# KiCad board k410t-devboard.kicad_pcb
title: Kintex 410T devboard; date: 2024-04-03; rev: 1.1.2
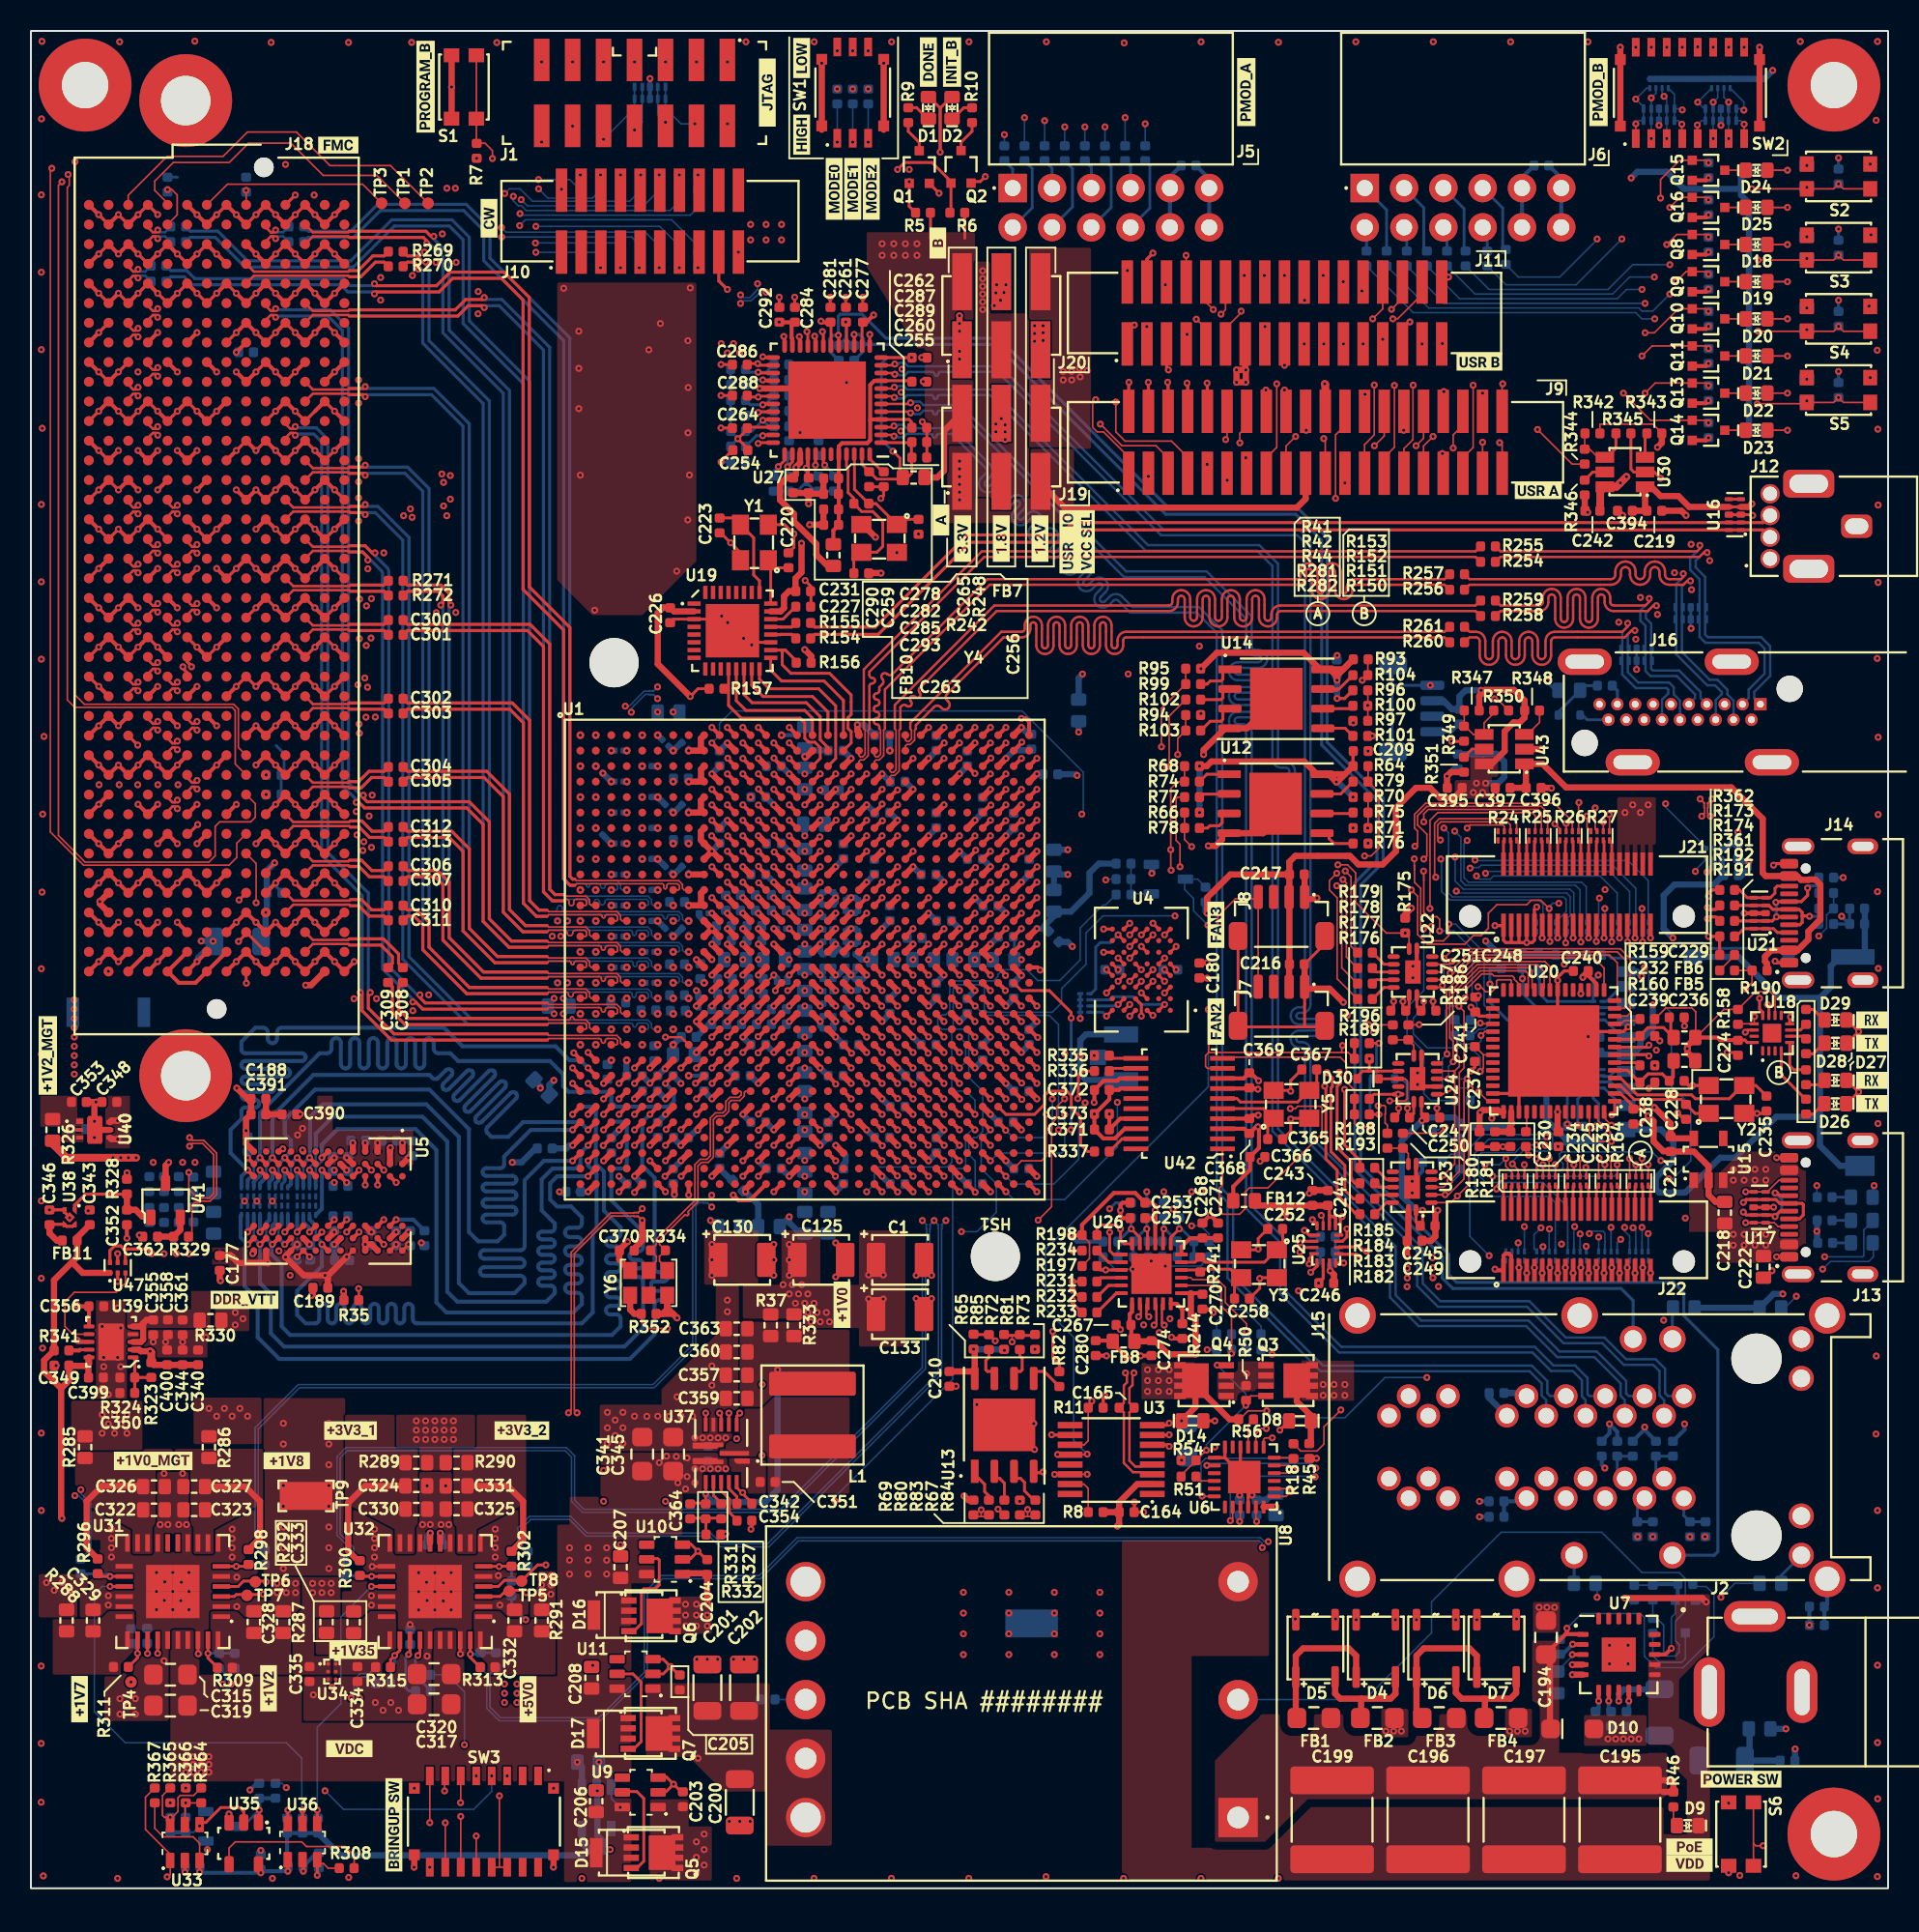
[diagram p0: board, top side]
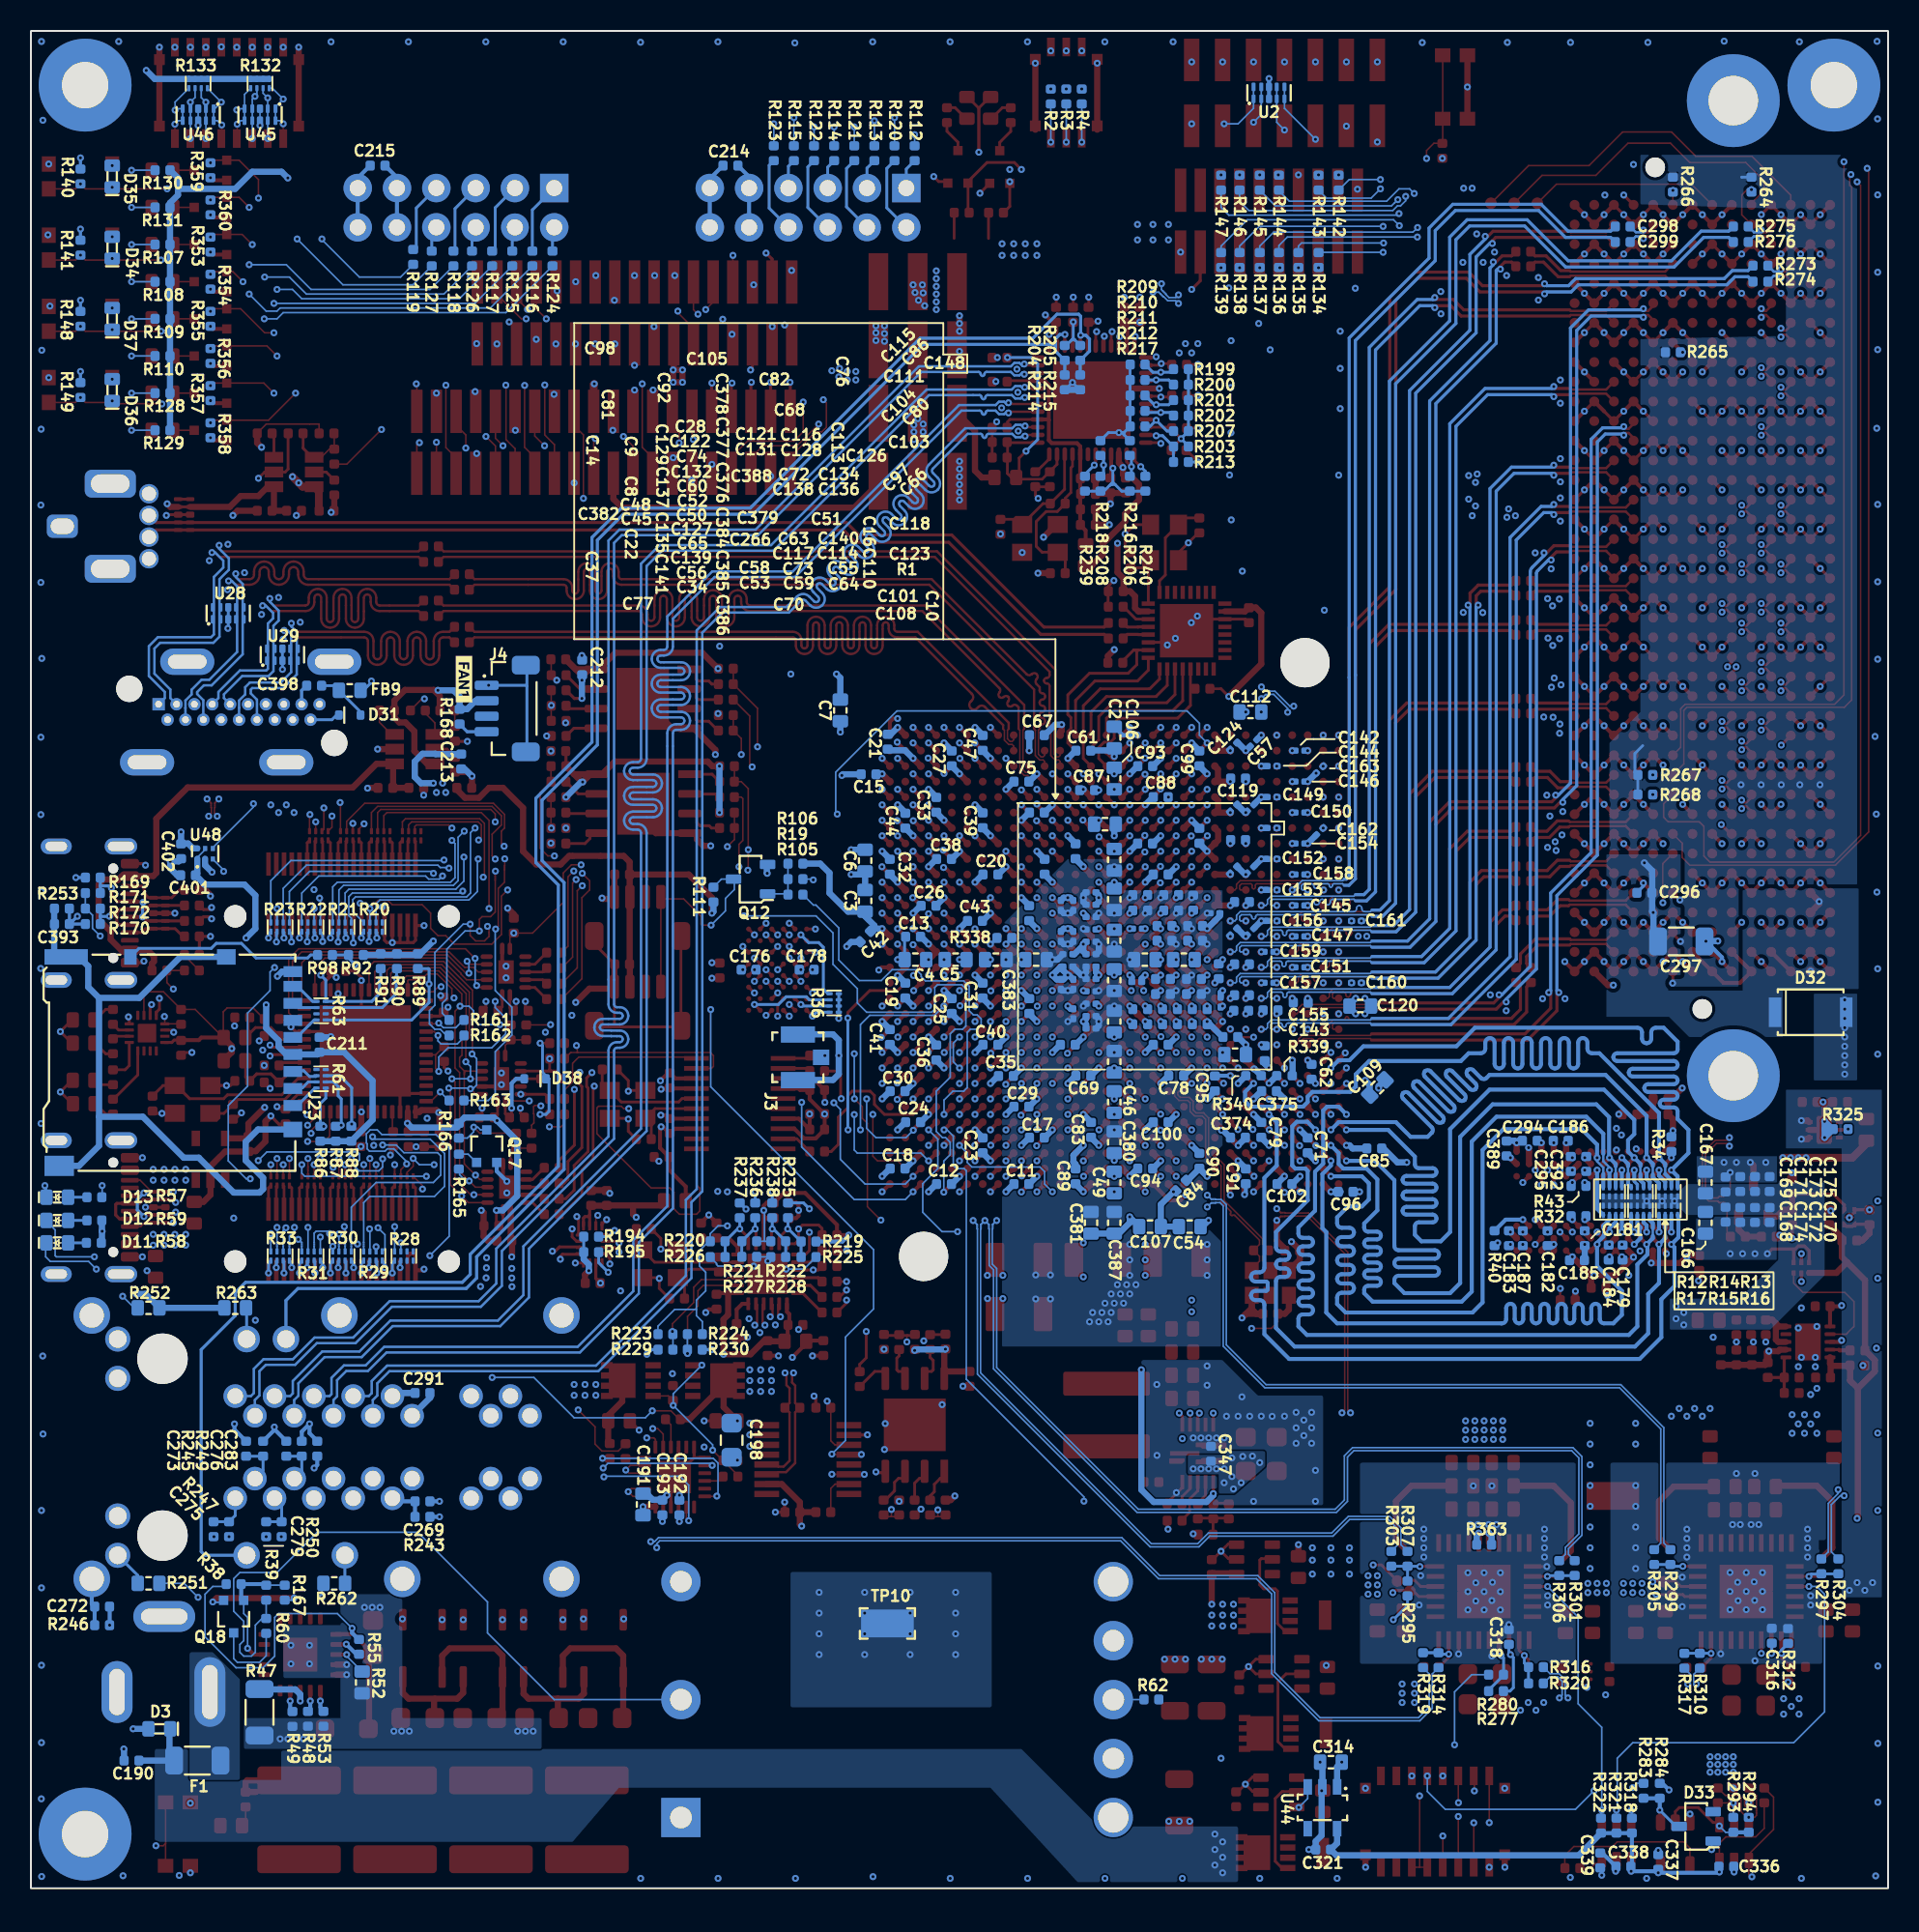
[diagram p1: board, bottom side, seen from below]

Outline 120 x 120 mm; copper layers: Top, In1.Cu (plane), In2.Cu (plane), In3.Cu, In4.Cu (plane), In5.Cu, In6.Cu (plane), In7.Cu, In8.Cu (plane), Bottom. Coordinates in mm from the lower left corner of the outline.
Outline path: rectangle 0,120 120,0
Stack: Top 0.035mm / dielectric 0.12mm PR2116 er 3.9 / In1.Cu 0.018mm / dielectric 0.1mm IS400 er 3.9 / In2.Cu 0.018mm / dielectric 0.07mm PR1080 er 3.14 / dielectric 0.07mm PR1080 er 3.14 / In3.Cu 0.018mm / dielectric 0.1mm IS400 er 3.9 / In4.Cu 0.018mm / dielectric 0.07mm PR1080 er 3.14 / dielectric 0.07mm PR1080 er 3.14 / In5.Cu 0.018mm / dielectric 0.1mm IS400 er 3.9 / In6.Cu 0.018mm / dielectric 0.07mm PR1080 er 3.14 / dielectric 0.07mm PR1080 er 3.14 / In7.Cu 0.018mm / dielectric 0.1mm IS400 er 3.9 / In8.Cu 0.018mm / dielectric 0.12mm PR2116 er 3.9 / Bottom 0.035mm

## Placement (name value [footprint] x y rotation side)
C1  C_Pol_330u_6.3V_KEMET-T520-B  [C_Pol_EIA-B]  56.16 40.6 0 top
C2  C_47u_0603  [C_0603_1608Metric]  50 74.35 270 bottom
C3  C_47u_0603  [C_0603_1608Metric]  66.1 63.8 270 bottom
C4  C_47u_0603  [C_0603_1608Metric]  62.85 60 180 bottom
C5  C_47u_0603  [C_0603_1608Metric]  60.25 60 180 bottom
C6  C_47u_0603  [C_0603_1608Metric]  66.1 66.4 90 bottom
C7  C_47u_0603  [C_0603_1608Metric]  67.7 76.1 270 bottom
C8  C_4u7_0201  [C_0201]  53.45 61.5 270 bottom
C9  C_4u7_0201  [C_0201]  53.45 63.5 270 bottom
C10  C_100n_0402  [C_0402_1005Metric]  40.28 53.95 270 bottom
C11  C_100n_0402  [C_0402_1005Metric]  56 45.5 0 bottom
C12  C_100n_0402  [C_0402_1005Metric]  61 45.5 180 bottom
C13  C_100n_0402  [C_0402_1005Metric]  63 61.48 180 bottom
C14  C_100n_0402  [C_0402_1005Metric]  55.5 63 270 bottom
C15  C_100n_0402  [C_0402_1005Metric]  65.88 71.97 180 bottom
C16  C_100n_0402  [C_0402_1005Metric]  43.25 59.25 90 bottom
C17  C_100n_0402  [C_0402_1005Metric]  55 48.5 0 bottom
C18  C_100n_0402  [C_0402_1005Metric]  64 46.5 180 bottom
C19  C_100n_0402  [C_0402_1005Metric]  63.5 58 270 bottom
C20  C_100n_0402  [C_0402_1005Metric]  58 65.5 180 bottom
C21  C_100n_0402  [C_0402_1005Metric]  64.64 74.08 90 bottom
C22  C_4u7_0201  [C_0201]  53.45 58.4 270 bottom
C23  C_100n_0402  [C_0402_1005Metric]  58.5 48 90 bottom
C24  C_100n_0402  [C_0402_1005Metric]  63 49.5 180 bottom
C25  C_100n_0402  [C_0402_1005Metric]  60.5 57 270 bottom
C26  C_100n_0402  [C_0402_1005Metric]  62 63.48 180 bottom
C27  C_100n_0402  [C_0402_1005Metric]  60.5 73 90 bottom
C28  C_4u7_0201  [C_0201]  51.5 64.35 0 bottom
C29  C_100n_0402  [C_0402_1005Metric]  56 50.5 180 bottom
C30  C_100n_0402  [C_0402_1005Metric]  64 51.5 0 bottom
C31  C_100n_0402  [C_0402_1005Metric]  58.5 58 90 bottom
C32  C_100n_0402  [C_0402_1005Metric]  64.5 66 270 bottom
C33  C_100n_0402  [C_0402_1005Metric]  61.5 70 90 bottom
C34  C_4u7_0201  [C_0201]  51.5 55.55 180 bottom
C35  C_100n_0402  [C_0402_1005Metric]  57 52.48 0 bottom
C36  C_100n_0402  [C_0402_1005Metric]  61.5 54 270 bottom
C37  C_100n_0402  [C_0402_1005Metric]  55.49 57 90 bottom
C38  C_100n_0402  [C_0402_1005Metric]  61 66.5 180 bottom
C39  C_100n_0402  [C_0402_1005Metric]  58.5 69 90 bottom
C40  C_100n_0402  [C_0402_1005Metric]  58 54.5 180 bottom
C41  C_100n_0402  [C_0402_1005Metric]  64.5 55 270 bottom
C42  C_100n_0402  [C_0402_1005Metric]  66.09 61.49 135 bottom
C43  C_100n_0402  [C_0402_1005Metric]  59 62.5 180 bottom
C44  C_100n_0402  [C_0402_1005Metric]  63.5 68.97 270 bottom
C45  C_4u7_0201  [C_0201]  53 59.55 180 bottom
C46  C_47u_0603  [C_0603_1608Metric]  50 50.8 90 bottom
C47  C_100n_0402  [C_0402_1005Metric]  58.5 74 270 bottom
C48  C_4u7_0201  [C_0201]  53 60.35 0 bottom
C49  C_47u_0603  [C_0603_1608Metric]  50 45.6 90 bottom
C50  C_4u7_0201  [C_0201]  51.5 59.55 0 bottom
C51  C_47u_0603  [C_0603_1608Metric]  45.5 60 0 bottom
C52  C_4u7_0201  [C_0201]  51.5 60.35 180 bottom
C53  C_100n_0402  [C_0402_1005Metric]  48.32 55.82 180 bottom
C54  C_47u_0603  [C_0603_1608Metric]  45.12 42.75 0 bottom
C55  C_100n_0402  [C_0402_1005Metric]  44.47 56.8 0 bottom
C56  C_100n_0201  [C_0201]  51.5 56.35 180 bottom
C57  C_4u7_0201  [C_0201]  41 74 315 bottom
C58  C_100n_0402  [C_0402_1005Metric]  48.32 56.8 0 bottom
C59  C_100n_0402  [C_0402_1005Metric]  46.4 55.82 180 bottom
C60  C_100n_0201  [C_0201]  51.5 61.15 180 bottom
C61  C_100n_0402  [C_0402_1005Metric]  52 73.5 180 bottom
C62  C_100n_0402  [C_0402_1005Metric]  37.25 52.75 270 bottom
C63  C_100n_0402  [C_0402_1005Metric]  46.85 58.75 0 bottom
C64  C_100n_0402  [C_0402_1005Metric]  44.47 55.82 180 bottom
C65  C_100n_0201  [C_0201]  51.5 57.95 180 bottom
C66  C_4u7_0201  [C_0201]  41.2 61.8 315 bottom
C67  C_100n_0402  [C_0402_1005Metric]  55 74.5 180 bottom
C68  C_100n_0402  [C_0402_1005Metric]  47 65.5 180 bottom
C69  C_100n_0402  [C_0402_1005Metric]  52 52.5 180 bottom
C70  C_100n_0402  [C_0402_1005Metric]  47 54.5 180 bottom
C71  C_100n_0402  [C_0402_1005Metric]  37.5 48 90 bottom
C72  C_100n_0402  [C_0402_1005Metric]  46.75 62.17 0 bottom
C73  C_100n_0402  [C_0402_1005Metric]  46.4 56.8 0 bottom
C74  C_100n_0201  [C_0201]  51.5 62.75 180 bottom
C75  C_100n_0402  [C_0402_1005Metric]  56 71.5 180 bottom
C76  C_100n_0402  [C_0402_1005Metric]  44.5 68 90 bottom
C77  C_100n_0402  [C_0402_1005Metric]  53 54.5 0 bottom
C78  C_100n_0402  [C_0402_1005Metric]  46 52.5 0 bottom
C79  C_100n_0402  [C_0402_1005Metric]  40.5 49 90 bottom
C80  C_4u7_0201  [C_0201]  41.2 65.8 315 bottom
C81  C_100n_0402  [C_0402_1005Metric]  54.5 66 270 bottom
C82  C_100n_0402  [C_0402_1005Metric]  48.01 67.5 0 bottom
C83  C_100n_0402  [C_0402_1005Metric]  51.5 49 90 bottom
C84  C_100n_0402  [C_0402_1005Metric]  45.68 45.4 315 bottom
C85  C_100n_0402  [C_0402_1005Metric]  33.2 47.8 0 bottom
C86  C_4u7_0201  [C_0201]  41.2 69.8 315 bottom
C87  C_100n_0402  [C_0402_1005Metric]  51.75 70.95 0 bottom
C88  C_100n_0402  [C_0402_1005Metric]  47 70.5 0 bottom
C89  C_100n_0402  [C_0402_1005Metric]  52.5 46 90 bottom
C90  C_100n_0402  [C_0402_1005Metric]  44.5 47 90 bottom
C91  C_100n_0402  [C_0402_1005Metric]  41.5 46 90 bottom
C92  C_100n_0402  [C_0402_1005Metric]  52.5 67 90 bottom
C93  C_100n_0402  [C_0402_1005Metric]  48 72.5 180 bottom
C94  C_100n_0402  [C_0402_1005Metric]  48 46.5 0 bottom
C95  C_100n_0402  [C_0402_1005Metric]  43.5 52 270 bottom
C96  C_100n_0402  [C_0402_1005Metric]  35.05 45 0 bottom
C97  C_100n_0201  [C_0201]  42.3 61.8 315 bottom
C98  C_100n_0402  [C_0402_1005Metric]  55 69.5 0 bottom
C99  C_100n_0402  [C_0402_1005Metric]  44.5 73 270 bottom
C100  C_100n_0402  [C_0402_1005Metric]  47 49.5 0 bottom
C101  C_100n_0402  [C_0402_1005Metric]  42.5 55 0 bottom
C102  C_100n_0402  [C_0402_1005Metric]  39 45.5 0 bottom
C103  C_100n_0402  [C_0402_1005Metric]  41.75 63.72 0 bottom
C104  C_100n_0201  [C_0201]  42.3 65.8 315 bottom
C105  C_47u_0603  [C_0603_1608Metric]  50.6 68.75 0 bottom
C106  C_47u_0603  [C_0603_1608Metric]  50 71.7 90 bottom
C107  C_47u_0603  [C_0603_1608Metric]  47.69 42.75 0 bottom
C108  C_47u_0603  [C_0603_1608Metric]  42.19 53.86 180 bottom
C109  C_47u_0603  [C_0603_1608Metric]  33 51.74 135 bottom
C110  C_4u7_0201  [C_0201]  43.12 57.25 90 bottom
C111  C_100n_0402  [C_0402_1005Metric]  42 67.72 0 bottom
C112  C_47u_0603  [C_0603_1608Metric]  41.2 76 180 bottom
C113  C_100n_0402  [C_0402_1005Metric]  44.9 63.67 90 bottom
C114  C_100n_0402  [C_0402_1005Metric]  44.85 57.78 180 bottom
C115  C_100n_0201  [C_0201]  42.3 69.8 315 bottom
C116  C_100n_0402  [C_0402_1005Metric]  46.32 64.17 0 bottom
C117  C_100n_0402  [C_0402_1005Metric]  46.85 57.78 180 bottom
C118  C_100n_0402  [C_0402_1005Metric]  41.75 59.7 0 bottom
C119  C_100n_0402  [C_0402_1005Metric]  42 71.7 0 bottom
C120  C_47u_0603  [C_0603_1608Metric]  34.1 57 0 bottom
C121  C_100n_0402  [C_0402_1005Metric]  48.32 64.17 0 bottom
C122  C_100n_0201  [C_0201]  51.5 63.55 0 bottom
C123  C_100n_0402  [C_0402_1005Metric]  41.75 57.7 0 bottom
C124  C_100n_0201  [C_0201]  42.3 73.8 315 bottom
C125  C_Pol_330u_6.3V_KEMET-T520-B  [C_Pol_EIA-B]  51.06 40.6 0 top
C126  C_100n_0201  [C_0201]  43.5 63 0 bottom
C127  C_100n_0201  [C_0201]  51.5 58.75 0 bottom
C128  C_100n_0402  [C_0402_1005Metric]  46.32 63.17 180 bottom
C129  C_100n_0201  [C_0201]  52.65 63.5 270 bottom
C130  C_Pol_330u_6.3V_KEMET-T520-B  [C_Pol_EIA-B]  45.96 40.6 0 top
C131  C_100n_0402  [C_0402_1005Metric]  48.32 63.17 180 bottom
C132  C_100n_0201  [C_0201]  51.5 61.95 0 bottom
C133  C_Pol_330u_6.3V_KEMET-T520-B  [C_Pol_EIA-B]  56.16 37.1 0 top
C134  C_100n_0402  [C_0402_1005Metric]  44.78 62.17 0 bottom
C135  C_100n_0201  [C_0201]  52.65 58.4 270 bottom
C136  C_100n_0402  [C_0402_1005Metric]  44.78 61.22 180 bottom
C137  C_100n_0201  [C_0201]  52.65 61.5 270 bottom
C138  C_100n_0402  [C_0402_1005Metric]  46.75 61.22 180 bottom
C139  C_100n_0201  [C_0201]  51.5 57.15 0 bottom
C140  C_100n_0402  [C_0402_1005Metric]  44.85 58.75 0 bottom
C141  C_100n_0201  [C_0201]  52.65 56.5 270 bottom
C142  C_100n_0201  [C_0201]  38 73.5 180 bottom
C143  C_100n_0402  [C_0402_1005Metric]  39.9 56.72 180 bottom
C144  C_100n_0201  [C_0201]  39.8 72.5 180 bottom
C145  C_100n_0201  [C_0201]  38 63.5 180 bottom
C146  C_100n_0201  [C_0201]  38 71.5 180 bottom
C147  C_100n_0201  [C_0201]  38 61.5 180 bottom
C148  C_100n_0201  [C_0201]  39.8 68.5 180 bottom
C149  C_100n_0201  [C_0201]  39.8 70.5 180 bottom
C150  C_100n_0201  [C_0201]  38 69.5 180 bottom
C151  C_100n_0201  [C_0201]  38 59.5 180 bottom
C152  C_100n_0201  [C_0201]  39.8 66.5 180 bottom
C153  C_100n_0201  [C_0201]  39.8 64.5 180 bottom
C154  C_100n_0201  [C_0201]  38 67.5 180 bottom
C155  C_100n_0402  [C_0402_1005Metric]  37.95 57.22 180 bottom
C156  C_100n_0201  [C_0201]  39.8 62.5 180 bottom
C157  C_100n_0201  [C_0201]  40 58.5 180 bottom
C158  C_100n_0201  [C_0201]  38 65.5 180 bottom
C159  C_100n_0201  [C_0201]  40 60.5 180 bottom
C160  C_4u7_0201  [C_0201]  34.35 58.5 0 bottom
C161  C_4u7_0201  [C_0201]  34.35 62.5 0 bottom
C162  C_4u7_0201  [C_0201]  36.72 68.28 315 bottom
C163  C_4u7_0201  [C_0201]  36.73 72.27 315 bottom
C164  C_100n_0402  [C_0402_1005Metric]  70.8 24.3 180 top
C165  C_2n2_0402  [C_0402_1005Metric]  70.8 31.05 180 top
C166  C_47u_0603  [C_0603_1608Metric]  11.8 43 270 bottom
C167  C_47u_0603  [C_0603_1608Metric]  11.8 45.6 270 bottom
C168  C_10u_0402  [C_0402_1005Metric]  10.5 43.53 270 bottom
C169  C_10u_0402  [C_0402_1005Metric]  10.5 45.47 270 bottom
C170  C_100n_0402  [C_0402_1005Metric]  7.65 43.5 270 bottom
C171  C_100n_0402  [C_0402_1005Metric]  9.55 45.5 270 bottom
C172  C_100n_0402  [C_0402_1005Metric]  8.6 43.5 270 bottom
C173  C_100n_0402  [C_0402_1005Metric]  8.6 45.5 270 bottom
C174  C_100n_0402  [C_0402_1005Metric]  9.55 43.5 270 bottom
C175  C_100n_0402  [C_0402_1005Metric]  7.65 45.5 270 bottom
C176  C_100n_0402  [C_0402_1005Metric]  73.62 59.35 0 bottom
C177  C_100n_0402  [C_0402_1005Metric]  12.2 40.4 90 top
C178  C_100n_0402  [C_0402_1005Metric]  69.88 59.35 180 bottom
C179  C_100n_0402  [C_0402_1005Metric]  17.15 41.08 90 bottom
C180  C_10u_0402  [C_0402_1005Metric]  75.5 59.3 90 top
C181  C_100n_0402  [C_0402_1005Metric]  19.6 42 90 bottom
C182  C_100n_0402  [C_0402_1005Metric]  22 42 90 bottom
C183  C_100n_0402  [C_0402_1005Metric]  24.5 42 270 bottom
C184  C_100n_0402  [C_0402_1005Metric]  18.05 41.08 90 bottom
C185  C_100n_0402  [C_0402_1005Metric]  20.1 40.57 0 bottom
C186  C_100n_0402  [C_0402_1005Metric]  21.15 48.3 180 bottom
C187  C_100n_0402  [C_0402_1005Metric]  23.6 42 270 bottom
C188  C_10u_0402  [C_0402_1005Metric]  14.7 51 0 top
C189  C_10u_0402  [C_0402_1005Metric]  18.7 38.8 0 top
C190  C_100n_0402  [C_0402_1005Metric]  113.5 8.25 180 bottom
C191  C_1u_25V_0603  [C_0603_1608Metric]  80.45 24.8 90 bottom
C192  C_1u_0402  [C_0402_1005Metric]  78.1 24.6 90 bottom
C193  C_1u_0402  [C_0402_1005Metric]  79.2 24.6 90 bottom
C194  C_100n_100V_0805  [C_0805_2012Metric]  97.9 16.2 270 top
C195  C_22u_100V_2220  [C_2220_5650Metric]  102.68 4.43 90 top
C196  C_22u_100V_2220  [C_2220_5650Metric]  90.28 4.43 90 top
C197  C_22u_100V_2220  [C_2220_5650Metric]  96.47 4.43 90 top
C198  C_100n_100V_0805  [C_0805_2012Metric]  74.72 28.95 270 bottom
C199  C_22u_100V_2220  [C_2220_5650Metric]  84.07 4.43 90 top
C200  C_47u_16V_1206  [C_1206_3216Metric]  45.8 5.55 90 top
C201  C_47u_16V_1206  [C_1206_3216Metric]  43.71 12.96 270 top
C202  C_47u_16V_1206  [C_1206_3216Metric]  46.08 12.96 270 top
C203  C_100n_0402  [C_0402_1005Metric]  42.12 5.75 270 top
C204  C_100n_0402  [C_0402_1005Metric]  43.7 20.75 270 top
C205  C_100n_0402  [C_0402_1005Metric]  41.93 13.3 270 top
C206  C_1u_25V_0603  [C_0603_1608Metric]  36.53 5.63 270 top
C207  C_1u_25V_0603  [C_0603_1608Metric]  38.1 20.75 270 top
C208  C_1u_25V_0603  [C_0603_1608Metric]  36.22 13.6 270 top
C209  C_100n_0402  [C_0402_1005Metric]  85.93 73.47 180 top
C210  C_100n_0402  [C_0402_1005Metric]  59.35 32.91 90 top
C211  C_1u_0402  [C_0402_1005Metric]  101.35 54.5 270 bottom
C212  C_100n_0402  [C_0402_1005Metric]  84.38 78.88 270 bottom
C213  C_1u_0402  [C_0402_1005Metric]  92.2 72.8 90 bottom
C214  C_1u_0402  [C_0402_1005Metric]  74.8 111.3 0 bottom
C215  C_1u_0402  [C_0402_1005Metric]  97.6 111.3 0 bottom
C216  C_1u_0402  [C_0402_1005Metric]  81.8 59.7 180 top
C217  C_1u_0402  [C_0402_1005Metric]  81.8 65.5 180 top
C218  C_10u_25V_0603  [C_0603_1608Metric]  109.45 43.65 270 top
C219  C_10u_0402  [C_0402_1005Metric]  104.9 89 180 top
C220  C_22p_0402  [C_0402_1005Metric]  48.95 85.8 270 top
C221  C_10u_0402  [C_0402_1005Metric]  105.95 48.09 90 top
C222  C_10u_25V_0603  [C_0603_1608Metric]  111.95 40.15 90 top
C223  C_22p_0402  [C_0402_1005Metric]  44.5 88.05 90 top
C224  C_100n_0402  [C_0402_1005Metric]  110.3 54.3 90 top
C225  C_10u_0402  [C_0402_1005Metric]  94.6 48.4 90 top
C226  C_1u_0402  [C_0402_1005Metric]  41.3 82.25 90 top
C227  C_100n_0402  [C_0402_1005Metric]  49.9 82.8 180 top
C228  C_22p_0402  [C_0402_1005Metric]  106.94 50.16 90 top
C229  C_10u_0402  [C_0402_1005Metric]  106.35 56.26 180 top
C230  C_100n_0402  [C_0402_1005Metric]  98.7 48.4 90 top
C231  C_100n_0402  [C_0402_1005Metric]  49.9 83.8 180 top
C232  C_100n_0402  [C_0402_1005Metric]  104.44 55.06 180 top
C233  C_100n_0402  [C_0402_1005Metric]  95.6 48.4 90 top
C234  C_10u_0402  [C_0402_1005Metric]  93.6 48.4 90 top
C235  C_22p_0402  [C_0402_1005Metric]  112.14 50.7 90 top
C236  C_10u_0402  [C_0402_1005Metric]  106.35 52.16 180 top
C237  C_100n_0402  [C_0402_1005Metric]  93.3 53.9 90 top
C238  C_100n_0402  [C_0402_1005Metric]  103.54 49.87 90 top
C239  C_100n_0402  [C_0402_1005Metric]  104.44 52.06 180 top
C240  C_100n_0402  [C_0402_1005Metric]  100.15 59.26 0 top
C241  C_100n_0402  [C_0402_1005Metric]  93.32 57.1 270 top
C242  C_100n_0402  [C_0402_1005Metric]  100.9 89 0 top
C243  C_1u_0402  [C_0402_1005Metric]  82.8 44.6 270 top
C244  C_100n_0402  [C_0402_1005Metric]  83.8 44.6 270 top
C245  C_100n_0402  [C_0402_1005Metric]  90.25 42.8 180 top
C246  C_100n_0402  [C_0402_1005Metric]  83.7 39.1 0 top
C247  C_100n_0402  [C_0402_1005Metric]  90.55 49.8 180 top
C248  C_100n_0402  [C_0402_1005Metric]  90.3 56.7 180 top
C249  C_100n_0402  [C_0402_1005Metric]  89.41 41.84 180 top
C250  C_100n_0402  [C_0402_1005Metric]  88.6 49.8 0 top
C251  C_100n_0402  [C_0402_1005Metric]  88.35 56.7 0 top
C252  C_22p_0402  [C_0402_1005Metric]  80.4 42.6 0 top
C253  C_10u_0402  [C_0402_1005Metric]  71.5 44.3 0 top
C254  C_10u_0402  [C_0402_1005Metric]  45.84 92.91 0 top
C255  C_10u_0402  [C_0402_1005Metric]  57.4 92.44 180 top
C256  C_22p_0402  [C_0402_1005Metric]  57.35 87.96 90 top
C257  C_100n_0402  [C_0402_1005Metric]  71.5 43.3 0 top
C258  C_22p_0402  [C_0402_1005Metric]  78.25 38.1 180 top
C259  C_100n_0402  [C_0402_1005Metric]  50.25 90.64 90 top
C260  C_100n_0402  [C_0402_1005Metric]  57.4 93.44 180 top
C261  C_100n_0402  [C_0402_1005Metric]  52.66 101.66 270 top
C262  C_100n_0402  [C_0402_1005Metric]  57.41 98.89 180 top
C263  C_22p_0402  [C_0402_1005Metric]  53.65 84.96 180 top
C264  C_100n_0402  [C_0402_1005Metric]  45.8 94.34 0 top
C265  C_100n_0402  [C_0402_1005Metric]  54.16 91.04 90 top
C266  C_100n_0201  [C_0201]  48.55 58.56 0 bottom
C267  C_100n_0402  [C_0402_1005Metric]  70.6 36.4 0 top
C268  C_100n_0402  [C_0402_1005Metric]  75.7 42.5 90 top
C269  C_100n_0402  [C_0402_1005Metric]  94.7 25 0 bottom
C270  C_100n_0402  [C_0402_1005Metric]  75.7 37.9 90 top
C271  C_10u_0402  [C_0402_1005Metric]  76.7 42.5 90 top
C272  C_100n_0402  [C_0402_1005Metric]  115.4 18.2 0 bottom
C273  C_10p_0402  [C_0402_1005Metric]  106.1 28.4 270 bottom
C274  C_10u_0402  [C_0402_1005Metric]  72.4 34.9 90 top
C275  C_10p_0402  [C_0402_1005Metric]  108.2 23.2 90 bottom
C276  C_10p_0402  [C_0402_1005Metric]  102.5 28.4 270 bottom
C277  C_100n_0402  [C_0402_1005Metric]  53.76 101.66 270 top
C278  C_22n_0402  [C_0402_1005Metric]  51.7 91.09 0 top
C279  C_10p_0402  [C_0402_1005Metric]  104.8 23.2 90 bottom
C280  C_10u_0402  [C_0402_1005Metric]  68.8 34.9 90 top
C281  C_100n_0402  [C_0402_1005Metric]  51.66 101.66 270 top
C282  C_100n_0402  [C_0402_1005Metric]  51.7 90.09 0 top
C283  C_100n_0402  [C_0402_1005Metric]  101.5 28.4 270 bottom
C284  C_100n_0402  [C_0402_1005Metric]  49.36 101.66 270 top
C285  C_10u_0402  [C_0402_1005Metric]  51.7 89.09 0 top
C286  C_100n_0402  [C_0402_1005Metric]  45.8 98.44 0 top
C287  C_100n_0402  [C_0402_1005Metric]  57.4 97.34 180 top
C288  C_100n_0402  [C_0402_1005Metric]  45.8 96.44 0 top
C289  C_100n_0402  [C_0402_1005Metric]  57.4 94.37 180 top
C290  C_100n_0402  [C_0402_1005Metric]  49.25 90.64 90 top
C291  C_100n_0402  [C_0402_1005Metric]  94.7 32 0 bottom
C292  C_10u_0402  [C_0402_1005Metric]  48.36 101.66 270 top
C293  C_10u_0402  [C_0402_1005Metric]  51.7 88.09 0 top